# Altium PCB Thunder-Refix.PcbDoc (continued)
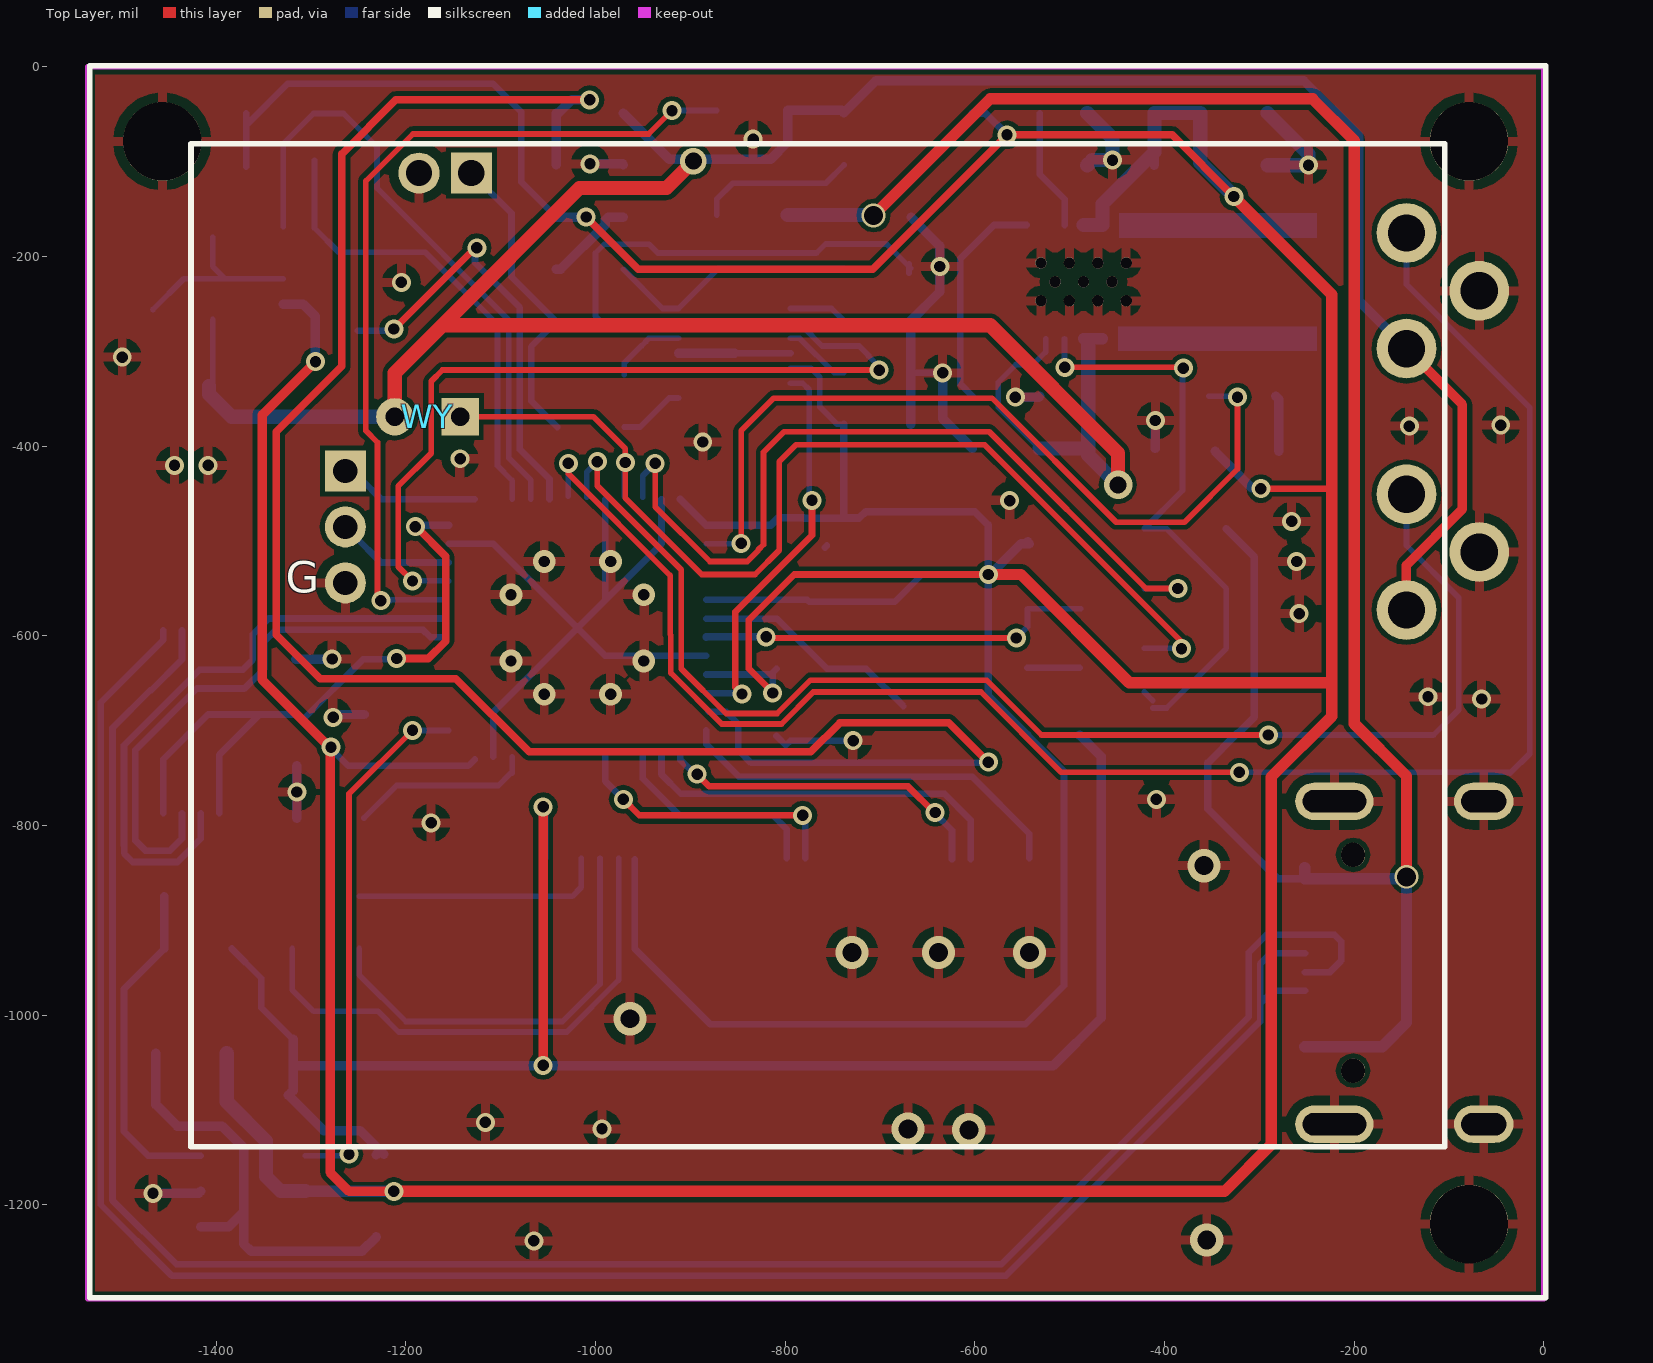
[diagram p0: Top Layer view]
## Part data
C1 C15: library part 0.1u, Contributor=LCEDA_Lib, nameAlias=Value(F), spicePre=C, spiceSymbolName=C_0402_US
C2 C7 C11 C12 C16 C17 C18 C19 C20 C21 C30: library part 电容
C3 C4 C13 C22 C23 C24 C25 C28 C29: library part cap, U=50V, 参数=Cap,0805,X7R,104K,50V,125C,±10%
  C3 C4 C13 C22 C29: C=106
  C23 C24: C=22uf
  C25 C28: C=104
C5 C8: BOM_Manufacturer="Murata Electronics", BOM_Manufacturer Part=GCJ21BR71H224KA01L, BOM_Supplier=LCSC, BOM_Supplier Part=C354366, Contributor=LCSC, nameAlias=Capacitance, spicePre=C, spiceSymbolName=GCJ21BR71H224KA01L
C6 C9: library part 100nF, BOM_Manufacturer=AVX, BOM_Manufacturer Part=FS055C104K4Z2A, BOM_Supplier=LCSC, BOM_Supplier Part=C444732, Contributor=LCSC, nameAlias=Capacitance, spicePre=C, spiceSymbolName=FS055C104K4Z2A
C10: BOM_LCSC Assembly=Yes, BOM_Manufacturer=SAMSUNG, BOM_Manufacturer Part=CL21B474KBFNNNE, BOM_Supplier=LCSC, BOM_Supplier Part=C13967, nameAlias=Capacitance, SMT Type=Basic, spicePre=C, spiceSymbolName=CL21B474KBFNNNE
C26: BOM_Manufacturer="Murata Electronics", BOM_Manufacturer Part=GRM21BB31C106KE15L, BOM_Supplier=LCSC, BOM_Supplier Part=C162317, Contributor=LCSC, nameAlias=Capacitance, spicePre=C, spiceSymbolName=GRM21BB31C106KE15L
C27: BOM_Manufacturer="Taiyo Yuden", BOM_Manufacturer Part=UMK212BJ105KG-T, BOM_Supplier=LCSC, BOM_Supplier Part=C319195, Contributor=LCSC, nameAlias=Capacitance, spicePre=C, spiceSymbolName=UMK212BJ105KG-T
D3: library part 1N4148WS, "Diode Switching 75V 0.3A 2-Pin SOD-323 T/R", Package="S-0 Good-Ark", Availability=Unavailable, MF="ON Semiconductor", MP=1N4148WS, Price=None, SnapEDA_Link=https://www.snapeda.com/parts/1N4148WS/ON%20Semiconductor/view-part/?ref=snap
D5 D6 D7: "Diode Switching 75V 0.3A 2-Pin SOD-323 T/R", Package="S-0 Good-Ark", Availability=Unavailable, MF="ON Semiconductor", MP=1N4148WS, Price=None, SnapEDA_Link=https://www.snapeda.com/parts/1N4148WS/ON%20Semiconductor/view-part/?ref=snap
L1: library part "Inductor Iron 2", _Current=10A, _Accuracy=20%, _Comma=,, _Footprint=1040, _Name=IND, _Specification=IND,1040,1.5uH,10A,20%, _Value=1.5uH
L2: library part L-CDRH, "功率屏蔽电感", BOM名称=功率屏蔽电感, 学习资源=www.ooocke.com, 版权归属=源创客
MIC1: BOM_Manufacturer=INGHAi, BOM_Manufacturer Part=GMI4015P-2C-56db, BOM_Supplier=LCSC, BOM_Supplier Part=C233299, Contributor=LCSC, spicePre=M, spiceSymbolName=GMI4015P-2C-56DB
MT3608: library part SX1308, "可调升压芯片", BOM名称=可调升压芯片, 学习资源=www.ooocke.com, 版权归属=源创客
OLED: library part FPC-35P, "FPC连接器", BOM名称=FPC连接器, 学习资源=www.ooocke.com, 版权归属=源创客
R1: BOM_Manufacturer=Tyohm, BOM_Manufacturer Part=RMC08052.2K1%N, BOM_Supplier=LCSC, BOM_Supplier Part=C325769, Contributor=LCSC, nameAlias="Resistance (Ohms)", spicePre=R, spiceSymbolName=RMC08052.2K1%N
R2 R3 R5 R7 R10 R11 R16 RB RS: library part R, "贴片电阻", BOM名称=贴片电阻, 学习资源=www.ooocke.com, 版权归属=源创客
R4 R9 R12: library part Res, P=1/8W, 参数=Res,0805,0R,±1%,1/8W,100ppm,155C
  R4 R9: R=1M
  R12: R=180K
R6: library part 150K, BOM_Manufacturer=Tyohm, BOM_Manufacturer Part=RMC0805150K1%N, BOM_Supplier=LCSC, BOM_Supplier Part=C325765, Contributor=LCSC, nameAlias="Resistance (Ohms)", spicePre=R, spiceSymbolName=RMC0805150K1%N
R8: BOM_LCSC Assembly=Yes, BOM_Manufacturer="Stackpole Elec", BOM_Manufacturer Part=RTAN0805BKE100K, BOM_Supplier=LCSC, BOM_Supplier Part=C346756, Contributor=LCSC, nameAlias="Resistance (Ohms)", SMT Type=Extend, spicePre=R, spiceSymbolName=RTAN0805BKE100K
R13 R14 R15: library part 1.5K, BOM_Manufacturer=YAGEO, BOM_Manufacturer Part=RC0603FR-071K5L, BOM_Supplier=LCSC, BOM_Supplier Part=C114668, nameAlias="Resistance (Ohms)", spicePre=R, spiceSymbolName=RC0603FR-071K5L
SW1 SW2: BOM_Manufacturer=韩国韩荣, BOM_Manufacturer Part=K2-1109DE-H4SW-04, BOM_Supplier=LCSC, BOM_Supplier Part=C961730, Contributor=LCSC, spicePre=S, spiceSymbolName=K2-1109DE-H4SW-04
SWD: library part "Header 3", "3P接插件", BOM名称=3P接插件, 学习资源=www.ooocke.com, 版权归属=源创客
SYS: library part LED-F234, "方形LED", BOM名称=方形LED, 学习资源=www.ooocke.com, 版权归属=源创客
U1: BOM_Manufacturer=ST, BOM_Manufacturer Part=STM32F401CCU6, BOM_Supplier=LCSC, BOM_Supplier Part=C79861, spicePre=U, spiceSymbolName=STM32F401CCU6, subpart_no=1, tags=STM32
U2: BOM_Manufacturer=MAXIM, BOM_Manufacturer Part=MAX9814ETD+T, BOM_Supplier=LCSC, BOM_Supplier Part=C41714, image=//image.lceda.cn/szlcsc/C41714.jpg, spicePre=U, spiceSymbolName=MAX9814ETD+T
U4: BOM_LCSC Assembly=Yes, BOM_Manufacturer=TOPPOWER, BOM_Manufacturer Part=TP4059, BOM_Supplier=LCSC, BOM_Supplier Part=C80364, SMT Type=Extend, spicePre=U, spiceSymbolName=TP4059
U5: BOM_Manufacturer=EPSON, BOM_Manufacturer Part=RX8900CE, Contributor=SudoMaker, spicePre=U, spiceSymbolName=RX8900CE
WY: library part "Header 2", "2P接插件", BOM名称=2P接插件, 学习资源=www.ooocke.com, 版权归属=源创客
X1: "XTAL,8MHz,±20PPM,12.6*4.5", K3 No.=1.6.1.01.005.001
C14: Contributor=LCEDA_Lib, nameAlias=Value(F), spicePre=C, spiceSymbolName=C_0402_US
SH1: Contributor=perry2867, spicePre=J, spiceSymbolName=SH1.0-2P

## Free pads (board coordinates)
  round 82.68 hole 82.68: 0(-1456.69,-78.74) 0(-78.74,-1220.47) 0(-78.74,-78.74)

## Via types
v1: diameter 20, hole 12, Top Layer to Bottom Layer, tented both sides, 75 vias
v2: diameter 35, hole 20, Top Layer to Bottom Layer, 8 vias
v3: diameter 24, hole 12, Top Layer to Bottom Layer, 8 vias
v4: diameter 25, hole 20, Top Layer to Bottom Layer, 2 vias
v5: diameter 28, hole 18, Top Layer to Bottom Layer, 1 vias
v6: diameter 30, hole 18, Top Layer to Bottom Layer, 1 vias

## Nets (pads, with @x,y where several pads share a name; then routed paths per layer and width w, separated by ;. In a path a pad name is that pad's centre, name@x,y a point inside that pad or via, vN(x,y) a via of type N, cw(c..) or ccw(c..) an arc to the next point about the centre after c; other vN are vias at no path point)
3.3: C1.1 C5.2 C15.1 C16.1 C17.1 C19.1 C21.1 C22.1 C23.1 C24.1 C25.1 C30.1 CH340E.7 CH340E.10 L2.2 MT3608.5 OLED.8 OLED.31 R5.1 R9.1 R10.1 R11.2 SYS.1 U1.1 U1.9 U1.24 U1.36 U1.48 U2.5 U3.4 U3.5 U5.2 | length 8761.8
  Top Layer w7: v1(-813.03,-660.47) -813.03,-659.91 -838.38,-634.56 -838.38,-583.46 -790.35,-535.43 v1(-585.63,-535.43) ; v1(-298.23,-444.88) -226.38,-444.88 -223.43,-447.83
  Top Layer w8: v1(-1209.65,-624.02) -1176.18,-624.02 -1157.76,-605.59 -1157.76,-516.45 -1189.2,-485.01 v1(-1189.96,-485.01) ; v1(-1009.84,-158.46) -954.72,-213.58 -707.68,-213.58 v1(-565.94,-71.85) -391.73,-71.85 v1(-326.77,-136.81)
  Top Layer w10: v1(-1295.28,-311.02) -1351.38,-367.13 -1351.38,-646.65 -1279.84,-718.19 -1279.84,-1166.02 -1259.84,-1186.02 v1(-1212.6,-1186.02)
  Top Layer w12: v1(-1212.6,-1186.02) -336.61,-1186.02 -287.4,-1136.81 -287.4,-749.02 -223.43,-685.04 -223.43,-647.64 ; v1(-585.63,-535.43) -551.18,-535.43 -437.01,-649.61 -225.39,-649.61 -223.43,-647.64 ; v1(-326.77,-136.81) -223.43,-240.16 -223.43,-447.83 -223.43,-647.64
  Bottom Layer w6: U2.5 -772.63,-317.91 -763.48,-327.06 -763.48,-358.56 -745.07,-376.96 C5.2
  Bottom Layer w7: CH340E.10 -1455.67,-730.31 -1408.42,-683.07 -1354.29,-683.07 ; CH340E.7 -1396.61,-725.39 -1354.29,-683.07 ; R11.2 R10.1@-1368.11,-61.39 ; R10.1 R10.1@-1368.11,-61.39 ; v1@-1279.65,-717.52 -1308.62,-688.54 C17.1 -1210.63,-625 v1(-1209.65,-624.02) ; U1.24 -1133.96,-737.2 C19.1 -1260.78,-737.2 C1.1 -1354.29,-683.07 ; C15.1 -1078.25,-121.56 -1078.25,-47.74 -1108.27,-17.72 -1324.44,-17.72 R10.1@-1368.11,-61.39 ; OLED.8@-958.66,-835.69 -958.66,-929.86 -878.68,-1009.84 -546.71,-1009.84 -505.91,-969.04 -505.91,-743.11 C21.1 ; U1.9@-883.18,-640.91 -815.12,-640.91 C30.1@-813.03,-638.82 ; v1(-813.03,-660.47) C30.1@-813.03,-638.82 ; C30.1 C30.1@-813.03,-638.82
  Bottom Layer w8: v1(-1189.96,-485.01) -1189.96,-483.55 -1190.1,-483.41 U1.36@-1154.78,-483.41 ; U1.48@-910.68,-455.91 -883.18,-483.41 -815.1,-483.41 -807.26,-475.56 -780.12,-475.56 -779.52,-476.16 -722.22,-476.16 -721.63,-475.56 ; C5.2 C16.1 -738.19,-475.56 -721.63,-475.56 ; R9.1 -588.78,-49.02 v1(-565.94,-71.85) ; C21.1 -585.63,-663.39 v1(-585.63,-535.43) -585.63,-483.27 -599.82,-469.08 -715.14,-469.08 -721.63,-475.56
  Bottom Layer w10: U5.2 -1307.94,-250.56 -1295.28,-263.22 v1(-1295.28,-311.02) ; C15.1 v1(-1009.84,-158.46) ; v1(-585.63,-535.43) -584.65,-536.42 -551.18,-502.95 -542.32,-502.95 R5.1 ; C23.1 C23.1@-410.43,-89.99 ; C24.1 C24.1@-362.2,-100.82 ; SYS.1 v1@-308.07,-443.9
  Bottom Layer w12: MT3608.5 v1@-1212.6,-1185.69
  Bottom Layer w15: L2.2 -1388.78,-1091.53 -1347.44,-1132.87 -1347.44,-1170.28 -1332.03,-1185.69 MT3608.5 ; U3.4 U3.5 -465.24,-144.8 -410.43,-89.99 C22.1 C25.1 -362.2,-100.82 -360.73,-102.3 v1@-326.21,-136.81
  other v1: -1278.83,-717.52
5V: C27.1 D6.A U4.4 USB.A4 USB.A9 USB.B4 USB.B9 | length 2318.5
  Top Layer w12: v4(-706.69,-156.8) -583.79,-33.9 -243.66,-33.9 -199.8,-77.76 -199.8,-692.93 -144.7,-748.03 v4(-144.7,-854.33)
  Bottom Layer w8: D6.A -305.12,-516.73 -305.12,-685.96 -322.06,-702.9 -322.98,-702.9 -354.33,-734.25 -354.33,-782.48 -280.51,-856.3 USB.B9
  Bottom Layer w12: USB.B4 -170.28,-1033.46 -144.7,-1007.89 v4(-144.7,-854.33) -146.67,-856.3 USB.B9 USB.A4
  Bottom Layer w15: U4.4 -707.2,-156.3 v4(-706.69,-156.8)
AR: U2.9
BAT: C3.1 C4.1 C13.1 C26.2 R14.2 R16.2 SH1.1 SW1.2 SW2.2 U3.10 U3.11 U3.13 U4.3 WY.2 | length 3392.7
  Top Layer w10: SW2.2 -144.7,-525.6 -85.63,-466.54 -85.63,-356.29 SW1.2
  Top Layer w15: WY.2 -1211.61,-322.83 -1161.42,-272.64 ; v5(-896.65,-99.41) -925.2,-127.95 -1016.73,-127.95 -1161.42,-272.64 ; v6(-448.82,-440.94) -448.82,-407.48 -583.66,-272.64 -1161.42,-272.64
  Bottom Layer w6: SH1.1 -1403.54,-332.64 R16.2@-1403.54,-266.45 ; C13.1 -575.09,-358.97 -575.09,-332.58 -556.48,-313.98 -538.39,-313.98 -525.24,-300.83 U3.13
  Bottom Layer w10: R14.2 -922.34,-97.34 -814.86,-97.34 -797.18,-79.66 U4.3 -740.37,-46.06 C26.2 -704.19,-14.76 -252.95,-14.76 -194.88,-72.83 -194.88,-247.04 SW1.2 ; U3.11 U3.11@-480.31,-291.73
  Bottom Layer w12: U3.11 U3.10
  Bottom Layer w15: SH1.1 -1407.54,-345.41 -1383.86,-369.09 WY.2 ; C13.1 C3.1 ; U3.11@-480.31,-291.73 C4.1 C3.1 ; v6(-448.82,-440.94) -480.31,-409.45 C3.1
BATDET: R14.1 R15.2 U1.11 | length 2081
  Top Layer w8: v1(-1006.03,-34.86) -1210.58,-34.86 -1267.72,-91.99 -1267.72,-315.94 -1336.61,-384.84 -1336.61,-598.94 -1290.36,-645.19 -1147.18,-645.19 -1069.92,-722.45 -772.8,-722.45 -742.06,-691.71 -627.19,-691.71 v1(-585.63,-733.27)
  Bottom Layer w7: U1.11 -862.03,-680.29 -849.41,-692.91 -849.41,-720.47 -835.83,-734.05 -586.41,-734.05 v1(-585.63,-733.27)
  Bottom Layer w10: R15.2 R14.1 ; R14.1@-1040.4,-50.15 -1025.11,-34.86 v1(-1006.03,-34.86)
CHGLED: U1.32 U4.1 | length 919
  Top Layer w6: v1(-1226.38,-562.99) -1229.86,-559.51 -1229.86,-396.12 -1242.13,-383.86 -1242.13,-120.51 -1192.49,-70.87 -943.9,-70.87 v1(-919.29,-46.26)
  Bottom Layer w6: v1(-1226.38,-562.99) -1216.48,-562.99 -1215.7,-562.21 U1.32 ; v1(-919.29,-46.26) -919.09,-46.06 U4.1
D+: CH340E.1 USB.A6 USB.B6 | length 2163
  Bottom Layer w7: -1521.65,-670.28 -1521.65,-1200.04 -1446.9,-1274.8 -566.88,-1274.8 -299.02,-1006.94 -299.02,-988 ; -1521.61,-670.28 -1455.67,-604.33 CH340E.1 ; USB.B6 -285.43,-974.41 -299.02,-988 ; USB.A6 -288.01,-935.04 -299.02,-946.06 -299.02,-988
D-: CH340E.2 USB.A7 USB.B7 | length 2205.8
  Bottom Layer w7: CH340E.2 -1435.98,-625.1 -1468.36,-657.48 -1469.45,-657.48 -1509.19,-697.23 -1509.24,-1195.49 -1441.93,-1262.8 -571.85,-1262.8 -311.02,-1001.97 -311.02,-934.06 -292.32,-915.35 USB.B7 -220.47,-915.35 -213.58,-922.24 -213.58,-942.91 -225.39,-954.72 USB.A7
DSINT: U1.41 U5.10 | length 458.3
  Top Layer w7: v1(-1212.6,-276.57) -1126.97,-190.94 v1(-1125,-190.94)
  Bottom Layer w7: U5.10 v1@-1214.58,-278.56 ; v1(-1125,-190.94) -1126.97,-190.94 -1126.97,-206.69 -1079.72,-253.94 -1079.72,-403.54 -1048.51,-434.76 U1.41 ; U1.41@-1048.48,-455.91 U1.41
DSSCL: R10.2 U1.40 U5.5 | length 652.7
  Bottom Layer w6: U5.5 -1329.36,-81.33 R10.2 -1265.75,-49.21 -1230.31,-84.65 -1230.31,-127.95 -1091.54,-266.73 -1091.54,-412.4 -1068.18,-435.76 U1.40@-1068.18,-455.91
DSSDA: R11.1 U1.39 U5.7 | length 513.9
  Bottom Layer w6: R11.1@-1296.26,-98.43 -1296.26,-169.97 -1270.67,-195.56 U5.7 -1179.44,-195.56 -1103.35,-271.65 -1103.35,-420.83 -1087.88,-436.3 ; U1.39@-1087.88,-455.91 -1087.88,-436.3 ; U1.39 -1087.88,-436.3
Gain: U2.10
GND: C1.2 C2.1 C3.2 C4.2 C5.1 C6.1 C7.2 C8.1 C10.2 C11.2 C12.2 C13.2 C14.2 C15.2 C16.2 C17.2 C18.1 C19.2 C20.2 C21.2 C22.2 C23.2 C24.2 C25.2 C26.1 C27.2 C28.1 C29.2 C30.2 CH340E.3 MIC1.2 MT3608.2 OLED.2 OLED.4 OLED.14 OLED.15 OLED.18 OLED.19 OLED.20 OLED.21 OLED.22 OLED.23 OLED.24 OLED.27 OLED.28 OLED.30 OLED.32 OLED.34 pad.0 R3.1 R4.2 R8.1 R12.2 R13.2 R15.1 RS.1 SH1.2 SW1.3 SW2.3 SWD.3 U1.8 U1.23 U1.35 U1.44 U1.47 U1.49 U2.4 U2.7 U2.11 U2.15 U3.2 U3.15 U4.2 U5.9 USB.1 USB.2 USB.3 USB.4 USB.A1 USB.A12 USB.B1 USB.B12 | length 1977.3
  Bottom Layer w7: U1.35@-1154.78,-503.11 -1107.58,-503.11 U1.49 ; U1.23@-1107.58,-727.51 -1107.58,-680.31 U1.49 ; U1.44@-989.48,-455.91 U1.49@-989.48,-562.21 ; U1.47@-930.38,-455.91 -930.38,-503.11 U1.49@-989.48,-562.21 ; U1.8@-883.18,-621.21 -989.48,-621.21 U1.49 ; U2.15 U2.15 U2.4 ; C30.2 -799.21,-715.55 -794.37,-710.71 v1(-728.19,-710.71) ; C2.1@-757.87,-506.89 C2.1 ; C8.1@-667.29,-322.85 v1(-633.89,-322.85) ; C21.2 C12.2 ; U1.49 U1.49@-989.48,-562.21
  Bottom Layer w10: v1(-1466.54,-1187.99) -1418.46,-1187.99 MT3608.2 ; C17.2 -1278.14,-625 v1(-1277.66,-624.52) ; C14.2 C19.2 ; v1(-1276.64,-686.06) -1276.64,-685.1 -1274.61,-683.07 C1.2 ; R8.1 -1036.67,-213.57 -989.84,-166.75 -989.84,-162.08 -986.23,-158.46 C15.2 ; v1(-1005.77,-102.36) -971.4,-102.36 R15.1 ; U2.11 U2.15 ; C5.1 C8.1 C6.1 -636.84,-237.23 v1(-636.84,-210.64) -636.84,-188.96 C27.2 ; v1(-633.89,-322.85) -633.89,-371.03 C13.2 ; v1(-557.09,-348.43) -532.48,-348.43 C28.1 ; C3.2 v1(-409.45,-373.03)
  Bottom Layer w15: C23.2 -475.95,-98.43 v1(-454.68,-98.43) -454.68,-75.27 C22.2 ; C24.2 v1(-248.03,-103.77) -248.03,-91.96 C25.2
  other v1: -1064.96,-1238.19 -993.11,-1120.08 -1116.14,-1113.19 -1173.23,-797.38 -408.46,-772.64 -1314.88,-764.76 -65.34,-666.71 -122.05,-664.37 -257.87,-576.77 -260.59,-521.71 -265.75,-479.33 -563.15,-457.64 -1443.9,-420.28 -1408.46,-420.28 -1142.72,-413.39 -886.81,-395.67 -141.73,-379.07 -45.28,-377.91 -1499.02,-306.13 -1204.72,-227.36 -833.66,-76.24
  other v2: -355.31,-1237.2 -606.22,-1121.06 -670.28,-1120.16 -963.58,-1003.94 -729.33,-934 -638.33,-934 -542.33,-934 -358.27,-842.52
  other v3: -1053.98,-661.71 -983.98,-661.71 -1088.98,-626.71 -948.98,-626.71 -1088.98,-556.71 -948.98,-556.71 -1053.98,-521.71 -983.98,-521.71
MICSHUTDN: U1.33 U2.2 | length 863.6
  Top Layer w6: v1(-1192.91,-542.32) -1207.96,-527.28 -1207.96,-442.21 -1173.23,-407.48 -1173.23,-331.69 -1161.41,-319.87 v1(-700.78,-319.87)
  Bottom Layer w6: v1(-1192.91,-542.32) -1192.5,-541.91 -1155.38,-541.91 U1.33@-1154.78,-542.51 ; U2.2 -786.09,-270.66 -782.67,-274.07 -781.22,-274.07 -760.9,-294.39 -721.84,-294.39 -711.95,-304.28 -711.95,-304.92 -700.78,-316.08 v1(-700.78,-319.87)
NetC6_2: C6.2 U2.1 | length 61.4
  Bottom Layer w6: U2.1 -750.98,-254.92 C6.2
NetC8_2: C8.2 U2.3 | length 71.2
  Bottom Layer w6: U2.3 -784.45,-286.41 -748.03,-322.82 C8.2
NetC9_1: C9.1 U2.8 | length 69.7
  Bottom Layer w6: C9.1 -952.66,-379.91 -922.14,-349.4 U2.8
NetC9_2: C9.2 MIC1.1 R1.1 | length 327.1
  Bottom Layer w7: MIC1.1 -1088.58,-154.53 -1088.58,-221.44 R1.1 -1067.72,-295.08 -1067.72,-352.54 C9.2
NetC10_1: C10.1 U2.12 | length 80.6
  Bottom Layer w6: C10.1 -969.48,-312.14 -951.75,-294.41 -951.41,-294.41 -946.72,-289.72 -946.72,-289.37 -943.75,-286.41 U2.12
NetC28_2: C28.2 U3.1 | length 235.1
  Bottom Layer w7: C28.2 -615.16,-334.65 -615.16,-202.24 -579.72,-166.8 U3.1
NetC29_1: C29.1 R16.1 U5.3 | length 199.7
  Bottom Layer w6: C29.1 -1434.19,-223.56 -1390.61,-223.56 ; R16.1@-1403.54,-179.83 -1403.54,-210.63 -1390.61,-223.56 ; U5.3 -1390.61,-223.56
NetD3_A: D3.A L2.1 MT3608.1 | length 467.8
  Bottom Layer w10: L2.1 -1463.58,-1094.49 -1440.94,-1117.13 -1393.7,-1117.13 -1371.06,-1139.76 -1371.06,-1207.68 ; MT3608.1 -1386.48,-1223.09 -1371.06,-1207.68 ; D3.A@-1231.03,-1234 -1246.05,-1249.02 -1363.19,-1249.02 -1371.06,-1241.14 -1371.06,-1207.68
NetD5_C: D5.C D6.C D7.C R4.1 U3.12 | length 636.1
  Top Layer w6: v1(-504.95,-316.95) -380.88,-316.95 v1(-379.92,-317.91)
  Bottom Layer w6: U3.12 -505.24,-315.28 -503.57,-316.95 v1(-504.95,-316.95) ; R4.1@-421.26,-659.45 R4.1@-412.4,-668.31 ; R4.1 -397.64,-676.18 D7.C D5.C -397.64,-487.2 D6.C -380.91,-446.85 -380.91,-318.89 v1(-379.92,-317.91)
NetL1_1: L1.1 U3.8 U3.9
NetL1_2: L1.2 U3.6 U3.7
NetMT3608_3: MT3608.3 RB.2 RS.2 | length 357.3
  Bottom Layer w7: RB.2 -1497.24,-972.53 -1497.24,-1122.84 -1471.79,-1148.29 MT3608.3
  Bottom Layer w9: RB.2 RS.2
NetOLED_5: OLED.5 R3.2 | length 268.7
  Bottom Layer w6: R3.2 -1024.47,-874.86 -1014.94,-865.33 OLED.5
NetOLED_6: OLED.6 R2.2 | length 451
  Bottom Layer w6: R2.2 -1249.02,-957.78 -1199.95,-1006.85 -1034.84,-1006.85 -995.25,-967.27 OLED.6
NetOLED_7: OLED.7 R2.1 | length 557.4
  Bottom Layer w6: R2.1 -1319.88,-973.43 -1297.24,-996.06 -1229.33,-996.06 -1207.54,-1017.85 -1030.28,-1017.85 -975.57,-963.14 OLED.7
NetR1_2: R1.2 R6.1 U2.13 | length 522.2
  Bottom Layer w6: U2.13 -968.5,-270.66 R1.2 -994.09,-268.69 -1000,-262.78 -1000,-196.46 -990.55,-187.01 -943.76,-187.01 -934.31,-196.46 -766.83,-196.46 -757.25,-186.87 -693.03,-186.87 R6.1@-669.29,-210.62 ; R6.1@-669.29,-217.51 R6.1@-669.29,-210.62 ; R6.1@-669.29,-207.67 R6.1@-669.29,-210.62 ; R6.1 R6.1@-669.29,-210.62
NetR6_2: R6.2 R8.2 U2.14 | length 266.9
  Bottom Layer w6: R8.2 -929.12,-254.92 U2.14 -870.07,-212.59 R6.2
NetR7_2: R7.2 SYS.2 | length 59.3
  Bottom Layer w10: R7.2 -279.53,-350.39 SYS.2
NetR9_2: R9.2 R12.1 U3.3 | length 128.7
  Bottom Layer w7: R9.2 R12.1 -531.5,-113.5 -505.24,-139.76 U3.3
NetR13_1: R13.1 U4.6 | length 165.7
  Bottom Layer w6: U4.6 -871.98,-139.57 -855.25,-122.83 -757.15,-122.83 R13.1
NRST: C20.1 R5.2 U1.7 | length 419.1
  Top Layer w6: v1(-819.88,-601.28) -818.77,-602.39 v1(-556.13,-602.39)
  Bottom Layer w6: v1(-556.13,-602.39) -544.29,-590.55 R5.2 -544.12,-571.68 C20.1
  Bottom Layer w8: U1.7@-883.18,-601.51 -882.94,-601.28 v1(-819.88,-601.28)
OLEDCS: OLED.26 U1.14 | length 406.2
  Bottom Layer w7: U1.14@-930.38,-727.51 -930.38,-746.42 -910.07,-766.73 -631.89,-766.73 -604.33,-794.29 OLED.26@-604.33,-835.69
OLEDDC: OLED.25 U1.13 | length 351.8
  Top Layer w7: v1(-892.72,-746.06) -879.92,-758.86 -670.28,-758.86 -642.72,-786.42 v1(-641.73,-786.42)
  Bottom Layer w7: U1.13@-910.68,-727.51 U1.13 -895.14,-746.06 v1(-892.72,-746.06) ; v1(-641.73,-786.42) -641.73,-787.4 -624.02,-805.12 OLED.25@-624.02,-835.69
OLEDRST: OLED.29 U1.12 | length 419.9
  Bottom Layer w7: U1.12@-883.18,-700.01 -883.18,-714.26 -848.8,-748.64 -602.74,-748.64 -542.5,-808.88 OLED.29
OLEDSCK: OLED.16 U1.15 | length 227.7
  Bottom Layer w7: U1.15@-950.08,-727.51 -950.08,-750.71 -911.42,-789.37 -812.99,-789.37 -798.4,-803.96 OLED.16
OLEDSDA: OLED.17 U1.17 | length 295.4
  Top Layer w7: v1(-970.47,-772.64) -953.74,-789.37 v1(-781.5,-789.37)
  Bottom Layer w7: U1.17@-989.48,-727.51 -989.48,-753.63 v1(-970.47,-772.64) ; v1(-781.5,-789.37) -778.72,-792.15 OLED.17
OLEDVPP: C7.1 C11.1 C12.1 D3.C OLED.3 OLED.33 RB.1 | length 1823.9
  Top Layer w10: v1(-1055.12,-1053.15) v1(-1055.12,-780.51)
  Bottom Layer w7: RB.1 -1352.36,-961.2 -1352.36,-992.13 C11.1
  Bottom Layer w10: C11.1 -1318.9,-1054.13 ; D3.C@-1231.03,-1147.38 D3.C@-1227.05,-1143.39 ; D3.C -1248.02,-1121.92 -1286.54,-1121.92 -1323.82,-1084.65 -1318.9,-1079.72 -1318.9,-1054.13 ; v1(-1055.12,-780.51) -1054.31,-781.32 OLED.3 ; C12.1 -466.54,-727.36 -466.54,-1002.95 -517.3,-1053.72 -1318.48,-1053.72 -1318.9,-1054.13
OSC32-IN: U1.3
OSC32-OUT: U1.4
OSC-IN: C2.2 U1.5 X1.1 | length 236.2
  Bottom Layer w7: U1.5@-883.18,-562.21 -776.56,-562.21 -774.61,-564.16 -684.24,-564.16 X1.1
OSC-OUT: C18.2 U1.6 X1.2 | length 246.2
  Bottom Layer w7: U1.6@-883.18,-581.91 -808.84,-581.91 C18.2 -714.57,-634.84 X1.2@-675.2,-674.21
OUT: U1.10 U2.6 | length 417.8
  Top Layer w7: v1(-845.47,-661.42) -852.36,-654.53 -852.36,-574.8 -771.65,-494.09 v1(-771.65,-457.16)
  Bottom Layer w6: U2.6 -781.49,-333.66 -774.48,-340.67 -774.48,-454.34 v1(-771.65,-457.16)
  Bottom Layer w7: U1.10@-883.18,-660.61 v1@-846.28,-660.61
PA6: U1.16
PA8: U1.29
PA9: CH340E.9 U1.30 | length 580.8
  Bottom Layer w7: CH340E.9 -1435.98,-813.98 -1448.59,-826.58 -1474.56,-826.58 -1485.19,-815.94 -1485.19,-720.47 -1420.37,-655.65 -1370.04,-655.65 -1349.22,-634.83 -1349.22,-606.11 -1336.98,-593.87 -1181.72,-593.87 -1174.04,-601.55 U1.30
PA10: CH340E.8 U1.31 | length 645.7
  Bottom Layer w7: CH340E.8 -1416.3,-813.98 -1440.9,-838.58 -1487.95,-838.58 -1497,-829.53 -1497,-821.1 -1497.19,-820.92 -1497.19,-715.5 -1417.74,-636.05 -1372.27,-636.05 -1361.22,-625 -1361.22,-598.43 -1344.66,-581.87 U1.31
PA15: U1.38
PB0: U1.18
PB1: U1.19
PB2: U1.20
PB6: SW1.1 U1.42 | length 1889.3
  Top Layer w6: v1(-1028.54,-418.31) -1028.54,-429.13 -921.26,-536.42 -921.26,-598.43 -920.45,-599.24 -920.45,-639.4 -866.76,-693.09 -803.86,-693.09 -770.22,-659.45 -593.45,-659.45 -508.81,-744.09 v1(-320.87,-744.09)
  Bottom Layer w6: U1.42 -1028.82,-418.58 v1(-1028.54,-418.31) ; v1(-320.87,-744.09) -35.9,-744.09 -35.17,-744.82 -14.76,-724.41 -14.76,-359.25 -144.7,-229.32 SW1.1
PB7: SW2.1 U1.43 | length 1438.1
  Top Layer w6: v1(-998.03,-416.34) -998.03,-441.93 -909.45,-530.51 -909.45,-634.84 -862.2,-682.09 -808.41,-682.09 -773.16,-646.84 -587.43,-646.84 -529.54,-704.72 v1(-290.35,-704.72)
  Bottom Layer w6: U1.43@-1009.14,-453.92 U1.43 -1009.14,-427.44 v1(-998.03,-416.34) ; v1@-291.84,-704.72 v1(-290.35,-704.72) -116.14,-704.72 -89.57,-678.15 -89.57,-560.04 -144.7,-504.91 SW2.1
PB8: D7.A U1.45 WY.1 | length 1140.4
  Top Layer w6: WY.1 -1001.97,-369.09 -968.5,-402.56 v1(-968.5,-417.32) -968.5,-454.72 -887.8,-535.43 -831.63,-535.43 -806.1,-509.9 -806.1,-416.34 -788.39,-398.62 -589.57,-398.62 -381.89,-606.3 v1@-381.89,-613.19
  Bottom Layer w6: U1.45 -969.77,-418.58 v1(-968.5,-417.32) ; D7.A -382.41,-613.19 v1(-381.89,-613.7)
PB9: D5.A U1.46 | length 879.9
  Top Layer w6: v1(-937.01,-418.31) -937.01,-464.05 -879.35,-521.71 -839.95,-521.71 -828.28,-510.04 -828.28,-509.38 -822.83,-503.94 -822.83,-406.5 -801.18,-384.84 -584.65,-384.84 -419.29,-550.2 v1(-385.83,-550.2)
  Bottom Layer w6: U1.46@-950.08,-453.92 U1.46 -950.08,-431.38 v1(-937.01,-418.31) ; D5.A v1(-385.83,-550.2)
PB10: U1.21
PB12: MT3608.4 U1.25 | length 559.5
  Top Layer w6: v1(-1259.84,-1146.65) -1259.84,-766.73 v1(-1192.91,-699.8)
  Bottom Layer w6: MT3608.4 -1273.23,-1148.29 -1261.48,-1148.29 v1(-1259.84,-1146.65) ; v1(-1192.91,-699.8) -1192.7,-700.01 U1.25@-1154.78,-700.01
PB13: U1.26
PB14: U1.27
PB15: U1.28
PC13: R7.1 U1.2 | length 877.8
  Top Layer w6: v1(-846.28,-502.58) -846.28,-383.68 -812.01,-349.41 -581.69,-349.41 -450.79,-480.32 -378.94,-480.32 -322.83,-424.21 v1(-322.83,-348.43)
  Bottom Layer w6: U1.2@-883.18,-503.11 -846.81,-503.11 v1(-846.28,-502.58) ; R7.1 -323.82,-347.44 v1(-322.83,-348.43)
SWCLK: SWD.1 U1.37 | length 140.2
  Bottom Layer w7: SWD.1@-1258.86,-435.04 -1247.05,-435.04 -1226.17,-455.91 U1.37@-1127.28,-455.91
SWDIO: SWD.2 U1.34 | length 124.6
  Bottom Layer w7: SWD.2 -1254.92,-494.09 -1226.2,-522.81 U1.34@-1154.78,-522.81
VCAP1: C14.1 U1.22 | length 193.1
  Bottom Layer w6: C14.1 -1209.56,-757.87 -1102.36,-757.87 -1089.31,-744.82 -1087.88,-744.82 U1.22@-1087.88,-727.51
pads on no net: CH340E.4 CH340E.5 CH340E.6 MT3608.6 OLED.0 OLED.1 OLED.9 OLED.10 OLED.11 OLED.12 OLED.13 OLED.35 SH1.3 SH1.4 U3.14 U4.5 U5.1 U5.4 U5.6 U5.8 USB.0 USB.A5 USB.A8 USB.B5 USB.B8

## Polygon pours and split planes (outlines as drawn)
GND on Top Layer "Top Layer-No Net" (solid, remove dead copper, pour order 0): -1532.48,7.87 2.95,7.87 2.95,-1291.34 -1532.48,-1291.34
GND on Bottom Layer "Top Layer-No Net" (solid, remove dead copper, pour order 4): -1531.8,5.82 3.64,5.82 3.64,-1293.4 -1531.8,-1293.4

## Keep-outs
Keep-Out Layer:
  the board outline again, w6

## Other copper
Bottom Layer:
  region net NetL1_1: -239.17,-299.64 -239.17,-274.05 -448.82,-274.05 -448.82,-299.64
  region net NetL1_2: -239.17,-180.54 -239.17,-153.97 -447.83,-153.97 -447.83,-180.54

## Silkscreen, mask and mechanical layers (free items; w line width, h text height)
Top Overlay:
  text "G" at -1326.77,-565.94 h57.09
Bottom Overlay:
  text "V05" at -1036.08,-1227.36 h100
  text "Thunder-Refix" at -403.54,-1242.13 h150